# Altium PCB 车模底盘.PcbDoc
Units mm, origin at the board's own origin, x right, y up, seen from the top; angles counter-clockwise.
Board outline 336.17 x 284.1 mm, 4 copper layers (Top Layer, MidLayer1, MidLayer2, Bottom Layer); 123 components, 136 nets, 501 pads, 6 vias.
Unrouted connection lines stored in the file: 207.
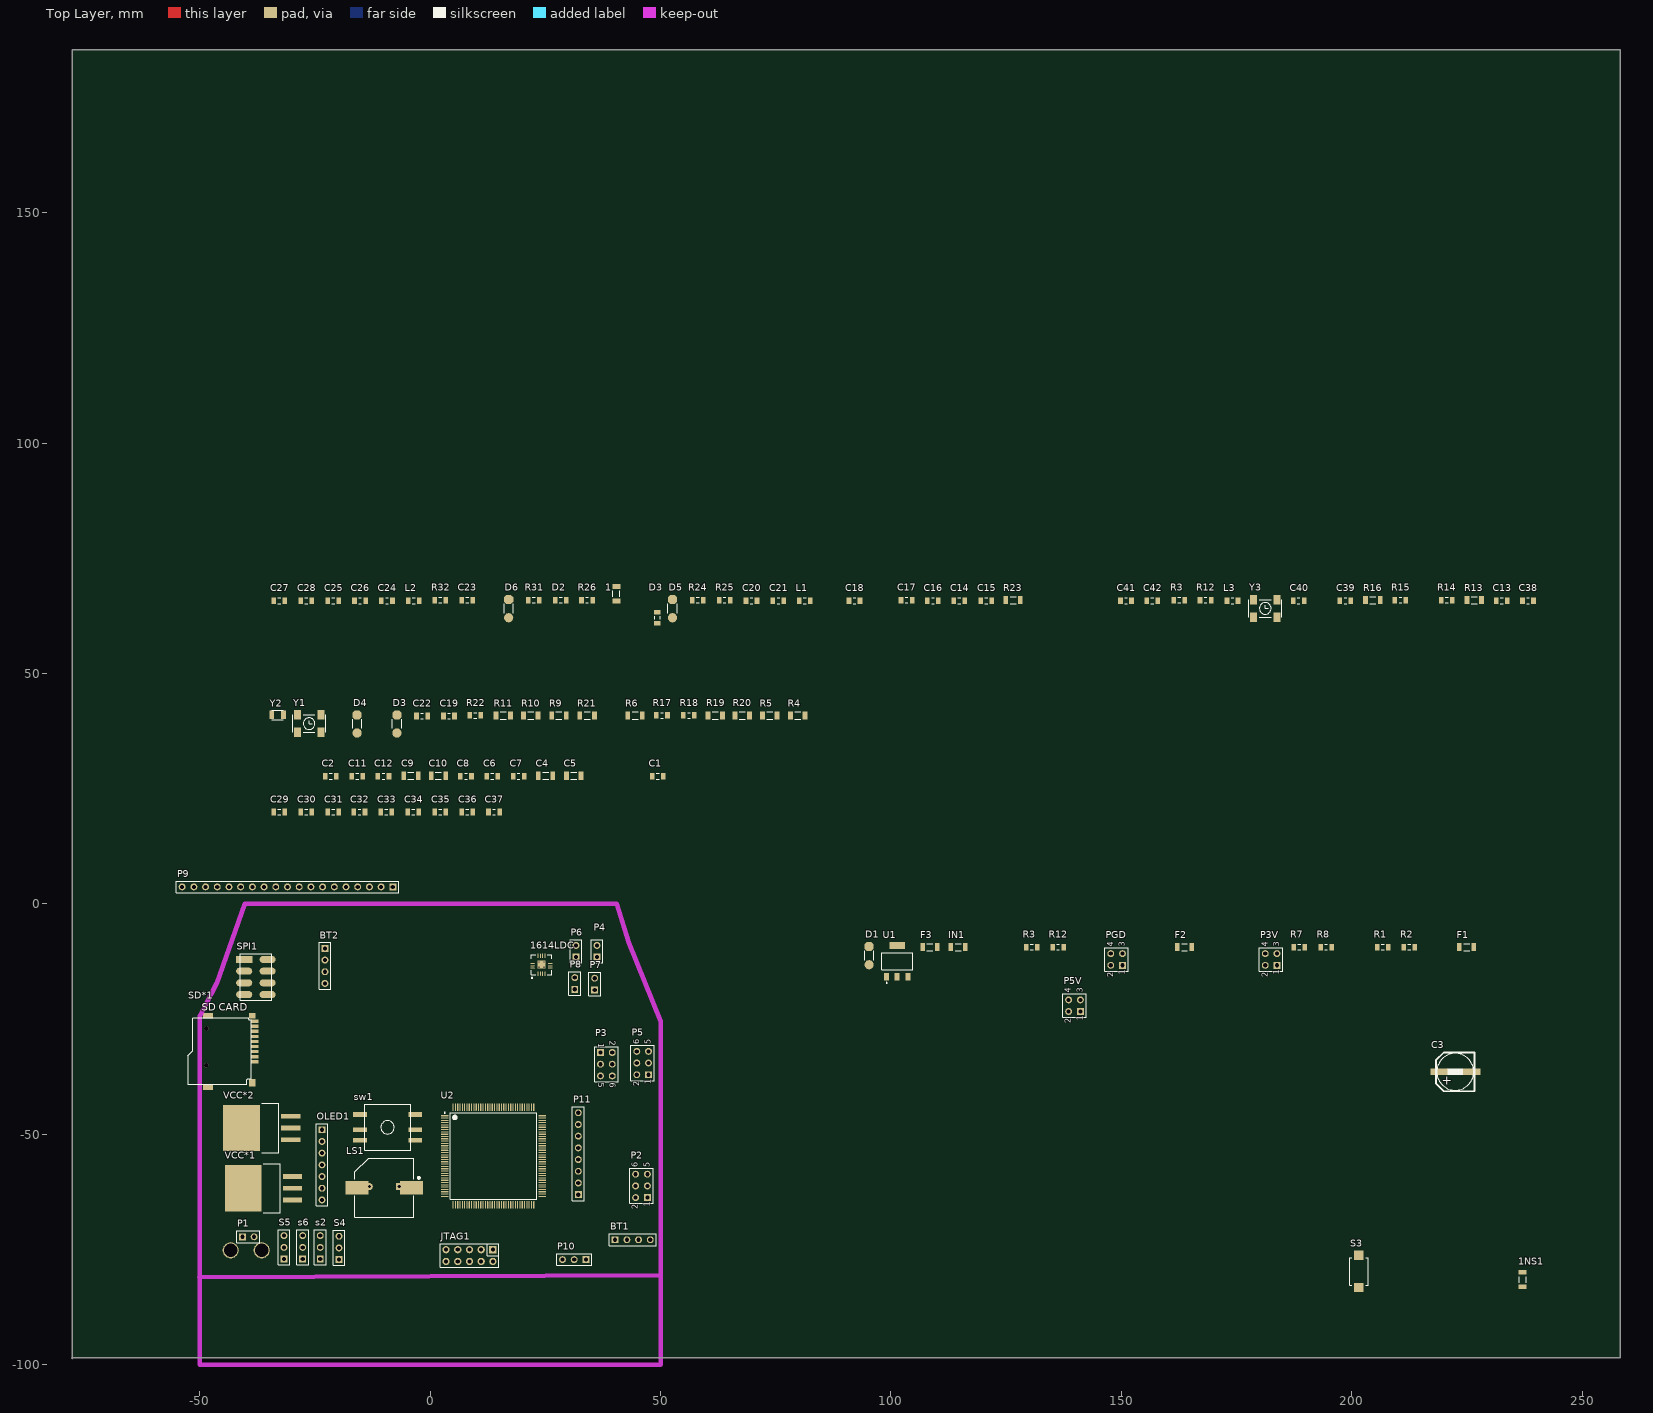
[diagram p0: Top Layer view]
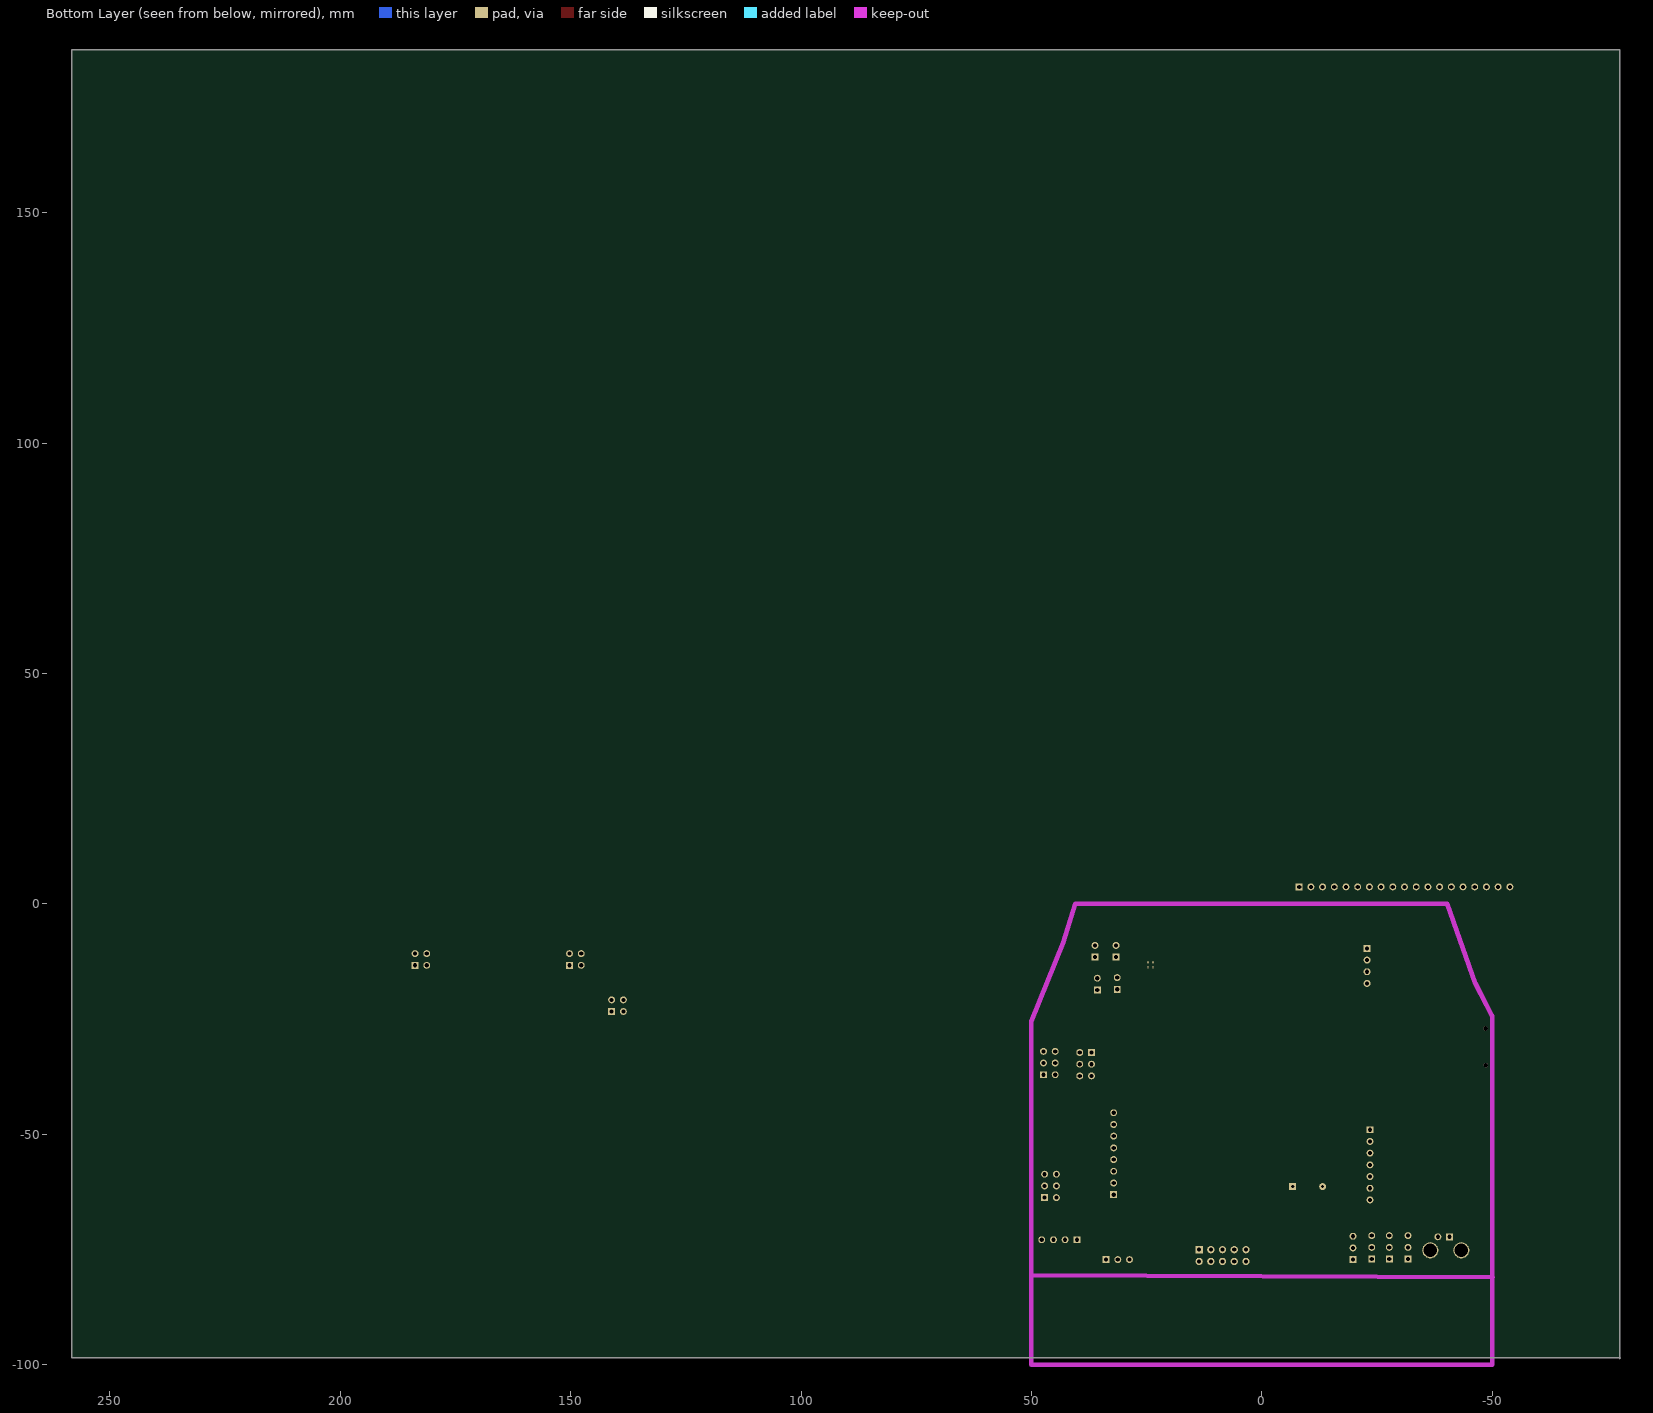
[diagram p1: Bottom Layer view, seen from below]

## Layer stack, top to bottom
Top Layer: signal copper 0.0356
Dielectric: core 0.32, FR-4, Dk 4.8
MidLayer1: signal copper 0.0356
Dielectric: prepreg 0.32, FR-4, Dk 4.8
MidLayer2: signal copper 0.0356
Dielectric: core 0.32, FR-4, Dk 4.8
Bottom Layer: signal copper 0.0356

## Board outline
-77.724,-98.679 -77.724,185.42 88.392,185.42 258.318,185.42 258.318,-43.307 258.318,-98.552 -77.851,-98.552

## Design rules (kind name [scope] priority, off if disabled: settings)
Clearance [All] p1: gap=0.152
PolygonConnect [All] p1: connectstyle=Relief reliefconductorwidth=0.254 reliefentries=4 polygonreliefangle="90 Angle" airgapwidth=0.254
RoutingVias [All] p1: holewidth=0.711 width=1.27 viastyle="Through Hole" minholewidth=0.711 minwidth=1.27 maxholewidth=0.711 maxwidth=1.27
SolderMaskExpansion [All] p1: expansion=0.102
Width [All] p1: maxlimit=1.27 minlimit=0.152 preferedwidth=0.254 midlayer1_minwidth=0.254 midlayer1_maxwidth=0.254 midlayer2_minwidth=0.254 midlayer2_maxwidth=0.254 minimp=50.000000 maximp=50.000000 favimp=50.000000
28 further rules are at their usual default settings.

## Classes and differential pairs
component class A车主控V1.0: 1NS1 1614LDC BT1 BT2 C1 C2 C3 C4 C5 C6 C7 C8 C9 C10 C11 C12 C14 C15 C16 C17 C18 C19 C20 C21 C22 C23 C24 C25 C26 C27 C28 C29 C30 C31 C32 C33 C34 C35 C36 C37 D1 D2 D3 D4 F1 F2 F3 IC1 IN1 JTAG1 L1 L2 OLED1 P1 P2 P3 P3V P4 P5 P5V PGD R1 R2 R3 R4 R5 R6 R7 R8 R9 R10 R11 R12 R17 R18 R19 R20 R21 R22 R24 R26 R31 R32 S1 s2 S3 S4 SD*1 SPI1 U1 U2 VCC*1 VCC*2 Y1 Y2

## Components (designator, comment, footprint, x,y, rotation, side; value= is the part's Value field where it differs from the comment)
1 "SK34" 1206(2) 40.386,67.31 r90 top
1NS1 "SK34" 1206(2) 237.109,-81.534 r90 top
1614LDC "LDC1614" LDC1614 24.13,-13.208 r90 top
BT1 "Header 4" HDR1X4 40.132,-72.898 r0 top
BT2 "Header 4" HDR1X4 -22.86,-9.652 r270 top
C1 "100nF" C2012 49.403,27.686 r0 top
C2 "100nF" C2012 -21.59,27.686 r0 top
C3 "Cap Pol1" SMD-EC-F8 218.948,-36.449 r0 top
C4 "Cap Pol1" 1206(2) 25.019,27.813 r0 top
C5 "Cap Pol1" 1206(2) 31.115,27.813 r0 top
C6 "Cap" C2012 13.462,27.686 r0 top
C7 "Cap" C2012 19.177,27.686 r0 top
C8 "100nF" C2012 7.747,27.686 r0 top
C9 "Cap Pol1" 1206(2) -4.191,27.813 r0 top
C10 "Cap Pol1" 1206(2) 1.778,27.813 r0 top
C11 "Cap" C2012 -15.875,27.686 r0 top
C12 "Cap" C2012 -10.16,27.686 r0 top
C13 "Cap" C2012 232.537,65.786 r0 top
C14 "10uF" C2012 114.808,65.786 r0 top
C15 "100nF" C2012 120.65,65.786 r0 top
C16 "2.2uF" C2012 109.093,65.786 r0 top
C17 "100nF" R2012 103.378,65.913 r0 top
C18 "100nF" C2012 92.075,65.786 r0 top
C19 "100nF" c2012 4.064,40.767 r0 top
C20 "100nF" C2012 69.723,65.786 r0 top
C21 "10nF" C2012 75.565,65.786 r0 top
C22 "100nF" c2012 -1.778,40.767 r0 top
C23 "100nF" R2012 8.001,65.913 r0 top
C24 "100nF" C2012 -9.398,65.786 r0 top
C25 "10nF" C2012 -21.082,65.786 r0 top
C26 "100nF" C2012 -15.24,65.786 r0 top
C27 "18pF" C2012 -32.766,65.786 r0 top
C28 "18pF" C2012 -26.924,65.786 r0 top
C29 "Cap" C2012 -32.766,19.939 r0 top
C30 "Cap" C2012 -26.924,19.939 r0 top
C31 "Cap" C2012 -21.082,19.939 r0 top
C32 "Cap" C2012 -15.367,19.939 r0 top
C33 "Cap" C2012 -9.525,19.939 r0 top
C34 "Cap" C2012 -3.683,19.939 r0 top
C35 "Cap" C2012 2.159,19.939 r0 top
C36 "Cap" C2012 8.001,19.939 r0 top
C37 "Cap" C2012 13.843,19.939 r0 top
C38 "Cap" C2012 238.252,65.786 r0 top
C39 "Cap" C2012 198.628,65.786 r0 top
C40 "Cap" C2012 188.468,65.786 r0 top
C41 "10nF" C2012 151.003,65.786 r0 top
C42 "100nF" C2012 156.718,65.786 r0 top
D1 "1N4729A" "hole-chip diode" 96.266,-13.208 r90 top
D2 "POWER" R2012 28.321,65.913 r0 top
D3 "POWER" R2012 49.276,62.103 r90 top
D3 "1N4729A" "hole-chip diode" -6.223,37.084 r90 top
D4 "1N4729A" "hole-chip diode" -14.859,37.084 r90 top
D5 "1N4729A" "hole-chip diode" 53.594,62.103 r90 top
D6 "1N4729A" "hole-chip diode" 18.034,62.103 r90 top
F1 "1.5A" 1206(2) 224.917,-9.398 r0 top
F2 "500mA" 1206(2) 163.703,-9.398 r0 top
F3 "300mA" 1206(2) 108.458,-9.398 r0 top
IN1 "1SS355" 1206(2) 114.554,-9.398 r0 top
JTAG1 "Header 5X2" IDC5X2 8.509,-76.327 r180 top
L1 "Inductor" C2012 81.28,65.786 r0 top
L2 "Inductor" C2012 -3.556,65.786 r0 top
L3 "Inductor" C2012 174.117,65.786 r0 top
LS1 "Buzzer" ABSM-1574 -4.064,-61.595 r180 top
OLED1 "Header 7" HDR1X7 -23.495,-49.022 r270 top
P1 "Header 2" HDR1X2 -40.767,-72.263 r0 top
P2 "Header 3X2" HDR2X3 47.117,-63.754 r90 top
P3 "Header 3X2" HDR2X3 36.957,-32.258 r270 top
P3V "Header 2X2" HDR2X2 183.769,-13.335 r90 top
P4 "Header 2" HDR1X2 36.195,-11.557 r90 top
P5 "Header 3X2" HDR2X3 47.371,-37.084 r90 top
P5V "Header 2X2" HDR2X2 141.097,-23.368 r90 top
P6 "Header 2" HDR1X2 31.623,-11.557 r90 top
P7 "Header 2" HDR1X2 35.687,-18.669 r90 top
P8 "Header 2" HDR1X2 31.369,-18.542 r90 top
P9 "Header 19" HDR1X19 -8.128,3.683 r180 top
P10 "Header 3" HDR1X3 33.782,-77.216 r180 top
P11 "Header 8" HDR1X8 32.131,-63.119 r90 top
PGD "Header 2X2" HDR2X2 150.241,-13.335 r90 top
R1 "Res2" R2012 206.756,-9.398 r0 top
R2 "Res2" R2012 212.471,-9.398 r0 top
R3 "10k" R2012 162.56,65.913 r0 top
R3 "Res2" R2012 130.556,-9.398 r0 top
R4 "Res2" 1206(2) 79.756,40.894 r0 top
R5 "Res2" 1206(2) 73.66,40.894 r0 top
R6 "Res2" 1206(2) 44.45,40.894 r0 top
R7 "Res2" R2012 188.595,-9.398 r0 top
R8 "Res2" R2012 194.437,-9.398 r0 top
R9 "Res2" 1206(2) 27.94,40.894 r0 top
R10 "Res2" 1206(2) 21.844,40.894 r0 top
R11 "Res2" 1206(2) 15.875,40.894 r0 top
R12 "Res2" R2012 168.275,65.913 r0 top
R12 "Res2" R2012 136.271,-9.398 r0 top
R13 "Res2" 1206(2) 226.568,65.913 r0 top
R14 "Res2" R2012 220.599,65.913 r0 top
R15 "Res2" R2012 210.566,65.913 r0 top
R16 "Res2" 1206(2) 204.597,65.913 r0 top
R17 "Res2" R2012 50.292,40.894 r0 top
R18 "Res2" R2012 56.134,40.894 r0 top
R19 "Res2" 1206(2) 61.849,40.894 r0 top
R20 "Res2" 1206(2) 67.691,40.894 r0 top
R21 "Res2" 1206(2) 34.036,40.894 r0 top
R22 "Res2" R2012 9.779,40.894 r0 top
R23 "Res2" 1206(2) 126.492,65.913 r0 top
R24 "1K" R2012 58.039,65.913 r0 top
R25 "1K" R2012 63.881,65.913 r0 top
R26 "10K" R2012 34.036,65.913 r0 top
R31 "10K" R2012 22.479,65.913 r0 top
R32 "1M" R2012 2.159,65.913 r0 top
s2 "Header 3" HDR1X3 -23.876,-77.089 r90 top
S3 "SW-PB" SMT_Button 201.549,-79.756 r90 top
S4 "Header 3" HDR1X3 -19.812,-77.216 r90 top
S5 "Header 3" HDR1X3 -31.75,-77.089 r90 top
s6 "Header 3" HDR1X3 -27.686,-77.089 r90 top
SD*1 "TF_card" SD_card -46.863,-30.099 r0 top
SPI1 "Header 4X2A" "SMT head4*1" -37.719,-16.002 r0 top
sw1 "SW-5" SW-5 -9.271,-48.514 r0 top
U1 "REG1117" SOT223 101.346,-12.446 r0 top
U2 "K60P144" LQFP144 13.716,-54.737 r0 top
VCC*1 "LM1084" "DPAK LM2940" -36.195,-61.722 r180 top
VCC*2 "LM1086" "DPAK LM2940" -36.576,-48.641 r180 top
Y1 "50MHZ" 贴片有源晶体 -28.829,37.211 r0 top
Y2 "32.768K" CT3215 -34.417,41.021 r0 top
Y3 "8MHZ" 贴片有源晶体 178.689,62.23 r0 top

## Footprints (in the part's own frame and the unit in brackets; to place one, negate y for a bottom-side part, rotate by r counter-clockwise, add the part's x,y. Pads: shape width x height; smd on the part's side, far side on the other; paste and mask are expansions set on the pad)
1206(2) [mm]
  rect 1.05x1.75 smd: 1(-1.575,0) 2(1.575,0)
  silkscreen extent -0.65,-0.77 0.65,0.77, body extent -1.6,-0.8 1.6,0.8, height 1.6
ABSM-1574 [mm] "Magnetic Transducer Buzzer"
  rect 5x3 smd: 1(0,0) 2(11.8,0)
  rect 1.5x1.5 hole 0.7: 1A(2.65,-0.24)
  round 1.5 hole 0.7: 2A(9.15,-0.24)
  silkscreen extent -1.83,-6.4 12.3,6.4
C2012 [mm] "Chip Capacitor, 2-Leads, Body 2.0x1.2mm, IPC Low Density"
  rect 1x1.45 smd: 1(-1.2,0) 2(1.2,0)
  silkscreen extent -0.3,-0.63 0.3,0.63, body extent -0.98,-0.6 1.02,0.6, height 0.5
c2012 [mm] "Chip Capacitor, 2-Leads, Body 2.0x1.2mm, IPC Low Density"
  rect 1x1.45 smd: 1(-1.2,0) 2(1.2,0)
  silkscreen extent -0.3,-0.63 0.3,0.63, body extent -0.98,-0.6 1.02,0.6, height 0.5
CT3215 [mm]
  rect 1.05x1.85 smd: 1(0,0) 2(2.54,0)
  silkscreen extent 0,-1.02 2.54,1.02
"DPAK LM2940" [mm] "D2-PAK, 4-Pads, Body 7.93x8.69mm (max), IPC Medium Density"
  rect 4.2x1 smd: 1(-6.3,2.54) 2(-6.3,0) 3(-6.3,-2.54)
  rect 8x10 smd: 4(4.4,0)
  silkscreen extent -3.65,-5.35 0,5.35, body extent -3.65,-5.33 6,5.33, height 4.83
HDR1X2 [mm] "Connector; Header; 2 Position"
  rect 1.5x1.5 hole 0.9: 1(0,0)
  round 1.5 hole 0.9: 2(2.54,0)
  silkscreen extent -1.27,-1.27 3.81,1.27
HDR1X3 [mm] "Connector; Header; 3 Position"
  rect 1.5x1.5 hole 0.9: 1(0,0)
  round 1.5 hole 0.9: 2(2.54,0) 3(5.08,0)
  silkscreen extent -1.27,-1.27 6.35,1.27
HDR1X4 [mm] "Connector; Header; 4 Position"
  rect 1.5x1.5 hole 0.9: 1(0,0)
  round 1.5 hole 0.9: 2(2.54,0) 3(5.08,0) 4(7.62,0)
  silkscreen extent -1.27,-1.27 8.89,1.27
HDR1X7 [mm] "Connector; Header; 7 Position"
  rect 1.5x1.5 hole 0.9: 1(0,0)
  round 1.5 hole 0.9: 2(2.54,0) 3(5.08,0) 4(7.62,0) 5(10.16,0) 6(12.7,0) 7(15.24,0)
  silkscreen extent -1.27,-1.27 16.51,1.27
HDR1X8 [mm] "Connector; Header; 8 Position"
  rect 1.5x1.5 hole 0.9: 1(0,0)
  round 1.5 hole 0.9: 2(2.54,0) 3(5.08,0) 4(7.62,0) 5(10.16,0) 6(12.7,0) 7(15.24,0) 8(17.78,0)
  silkscreen extent -1.27,-1.27 19.05,1.27
HDR1X19 [mm] "Connector; Header; 19 Position"
  rect 1.5x1.5 hole 0.9: 1(0,0)
  round 1.5 hole 0.9: 2(2.54,0) 3(5.08,0) 4(7.62,0) 5(10.16,0) 6(12.7,0) 7(15.24,0) 8(17.78,0) 9(20.32,0) 10(22.86,0) 11(25.4,0) 12(27.94,0) 13(30.48,0) 14(33.02,0) 15(35.56,0) 16(38.1,0) 17(40.64,0) 18(43.18,0) 19(45.72,0)
  silkscreen extent -1.27,-1.27 46.99,1.27
HDR2X2 [mm] "Connector; Header; 2x2 Position"
  rect 1.5x1.5 hole 0.9: 1(0,0)
  round 1.5 hole 0.9: 2(0,2.54) 3(2.54,0) 4(2.54,2.54)
  silkscreen extent -1.27,-1.27 3.81,3.81
HDR2X3 [mm] "Connector; Header; 3x2 Position"
  rect 1.5x1.5 hole 0.9: 1(0,0)
  round 1.5 hole 0.9: 2(0,2.54) 3(2.54,0) 4(2.54,2.54) 5(5.08,0) 6(5.08,2.54)
  silkscreen extent -1.27,-1.27 6.35,3.81
"hole-chip diode" [mm]
  round 2 smd: 1(0,1.016)
  oct 2x2 smd: 2(3.937,1.016)
  silkscreen extent 1,0 3,2
IDC5X2 [mil]
  rect 62x62 hole 35: 1(-200,-50)
  round 62 hole 35: 2(-200,50) 3(-100,-50) 4(-100,50) 5(0,-50) 6(0,50) 7(100,-50) 8(100,50) 9(200,-50) 10(200,50)
  silkscreen extent -250,-100 250,100
LDC1614 [mm] "QFN, 16-Leads, Body 4.00x4.00mm, Pitch 0.50mm, Thermal Pad 1.74x1.74mm, IPC Medium Density"
  oval 0.95x0.2 smd: 1(-1.925,0.75) 2(-1.925,0.25) 3(-1.925,-0.25) 4(-1.925,-0.75) 9(1.925,-0.75) 10(1.925,-0.25) 11(1.925,0.25) 12(1.925,0.75)
  oval 0.2x0.95 smd: 5(-0.75,-1.925) 6(-0.25,-1.925) 7(0.25,-1.925) 8(0.75,-1.925) 13(0.75,1.925) 14(0.25,1.925) 15(-0.25,1.925) 16(-0.75,1.925)
  rect 1.74x1.74 smd: 17(0,0)
  silkscreen extent -2.97,-2.2 2.2,2.2, body extent -2.05,-2.05 2.05,2.05, height 0.8
LQFP144 [mm]
  oval 1.65x0.25 smd: 1(-10.6,8.75) 2(-10.6,8.25) 3(-10.6,7.75) 4(-10.6,7.25) 5(-10.6,6.75) 6(-10.6,6.25) 7(-10.6,5.75) 8(-10.6,5.25) 9(-10.6,4.75) 10(-10.6,4.25) 11(-10.6,3.75) 12(-10.6,3.25) 13(-10.6,2.75) 14(-10.6,2.25) 15(-10.6,1.75) 16(-10.6,1.25) 17(-10.6,0.75) 18(-10.6,0.25) 19(-10.6,-0.25) 20(-10.6,-0.75) 21(-10.6,-1.25) 22(-10.6,-1.75) 23(-10.6,-2.25) 24(-10.6,-2.75) 25(-10.6,-3.25) 26(-10.6,-3.75) 27(-10.6,-4.25) 28(-10.6,-4.75) 29(-10.6,-5.25) 30(-10.6,-5.75) 31(-10.6,-6.25) 32(-10.6,-6.75) 33(-10.6,-7.25) 34(-10.6,-7.75) 35(-10.6,-8.25) 36(-10.6,-8.75) 73(10.6,-8.75) 74(10.6,-8.25) 75(10.6,-7.75) 76(10.6,-7.25) 77(10.6,-6.75) 78(10.6,-6.25) 79(10.6,-5.75) 80(10.6,-5.25) 81(10.6,-4.75) 82(10.6,-4.25) 83(10.6,-3.75) 84(10.6,-3.25) 85(10.6,-2.75) 86(10.6,-2.25) 87(10.6,-1.75) 88(10.6,-1.25) 89(10.6,-0.75) 90(10.6,-0.25) 91(10.6,0.25) 92(10.6,0.75) 93(10.6,1.25) 94(10.6,1.75) 95(10.6,2.25) 96(10.6,2.75) 97(10.6,3.25) 98(10.6,3.75) 99(10.6,4.25) 100(10.6,4.75) 101(10.6,5.25) 102(10.6,5.75) 103(10.6,6.25) 104(10.6,6.75) 105(10.6,7.25) 106(10.6,7.75) 107(10.6,8.25) 108(10.6,8.75)
  oval 0.25x1.65 smd: 37(-8.75,-10.6) 38(-8.25,-10.6) 39(-7.75,-10.6) 40(-7.25,-10.6) 41(-6.75,-10.6) 42(-6.25,-10.6) 43(-5.75,-10.6) 44(-5.25,-10.6) 45(-4.75,-10.6) 46(-4.25,-10.6) 47(-3.75,-10.6) 48(-3.25,-10.6) 49(-2.75,-10.6) 50(-2.25,-10.6) 51(-1.75,-10.6) 52(-1.25,-10.6) 53(-0.75,-10.6) 54(-0.25,-10.6) 55(0.25,-10.6) 56(0.75,-10.6) 57(1.25,-10.6) 58(1.75,-10.6) 59(2.25,-10.6) 60(2.75,-10.6) 61(3.25,-10.6) 62(3.75,-10.6) 63(4.25,-10.6) 64(4.75,-10.6) 65(5.25,-10.6) 66(5.75,-10.6) 67(6.25,-10.6) 68(6.75,-10.6) 69(7.25,-10.6) 70(7.75,-10.6) 71(8.25,-10.6) 72(8.75,-10.6) 109(8.75,10.6) 110(8.25,10.6) 111(7.75,10.6) 112(7.25,10.6) 113(6.75,10.6) 114(6.25,10.6) 115(5.75,10.6) 116(5.25,10.6) 117(4.75,10.6) 118(4.25,10.6) 119(3.75,10.6) 120(3.25,10.6) 121(2.75,10.6) 122(2.25,10.6) 123(1.75,10.6) 124(1.25,10.6) 125(0.75,10.6) 126(0.25,10.6) 127(-0.25,10.6) 128(-0.75,10.6) 129(-1.25,10.6) 130(-1.75,10.6) 131(-2.25,10.6) 132(-2.75,10.6) 133(-3.25,10.6) 134(-3.75,10.6) 135(-4.25,10.6) 136(-4.75,10.6) 137(-5.25,10.6) 138(-5.75,10.6) 139(-6.25,10.6) 140(-6.75,10.6) 141(-7.25,10.6) 142(-7.75,10.6) 143(-8.25,10.6) 144(-8.75,10.6)
  silkscreen extent -10.72,-9.38 9.38,9.55, body extent -10,-10 10,10, height 1.6
R2012 [mm] "Chip Resistor, 2-Leads, Body 2.0x1.2mm, IPC Low Density"
  rect 1x1.4 smd: 1(-1.2,0) 2(1.2,0)
  silkscreen extent -0.3,-0.6 0.3,0.6, body extent -0.98,-0.6 1.02,0.6, height 0.5
SD_card [mm]
  rect 1.6x0.7 smd: 1(8.732,-4.16) 2(8.732,-3.06) 3(8.732,-1.96) 4(8.732,-0.86) 5(8.732,0.24) 6(8.732,1.34) 7(8.732,2.44) 8(8.732,3.54) 9(8.732,4.64)
  rect 1.4x1.2 smd: 10(8.232,5.84)
  rect 2.2x1.2 smd: 11(-1.368,5.84) 12(-1.368,-9.66)
  rect 1.4x1.6 smd: 13(8.232,-8.76)
  silkscreen extent -5.79,-9.04 8.03,5.43
SMD-EC-F8 [mm]
  rect 3.8x1.4 smd: 1(0,0) 2(7.051,0)
  silkscreen extent -0.69,-4.22 7.71,4.2
"SMT head4*1" [mm]
  rect 3.5x1.5 smd: 1(-2.667,3.937)
  oval 3.5x1.5 smd: 2(-2.667,1.397) 3(-2.667,-1.143) 4(-2.667,-3.683) 5(2.413,3.937) 6(2.413,1.397) 7(2.413,-1.143) 8(2.413,-3.683)
  silkscreen extent -3.56,-4.93 3.3,5.23
SMT_Button [mil]
  rect 80x80 smd: 1(-137.8,0) 2(137.8,0)
  silkscreen extent -118,-79 118,79
SOT223 [mm] "SOT-223/SC-73; 4 Leads; Body 6.7 x 7.3 mm, inc. leads (LxW max)"
  rect 1.1x1.55 smd: 1(-2.3,-3.375) 2(0,-3.375) 3(2.3,-3.375)
  rect 3.45x1.55 smd: 4(0,3.375)
  silkscreen extent -3.35,-4.82 3.35,1.85, body extent -3.25,-3.47 3.25,3.49, height 1.66
SW-5 [mm]
  rect 3x1 smd: 1(-6,2.8) 2(-6,-0.5) 3(-6,-2.8) 4(6,-2.8) 5(6,-0.5) 6(6,2.8)
  silkscreen extent -5,-5 5,5
贴片有源晶体 [mil]
  rect 60x80 smd: 1(0,0) 2(200,0) 3(200,150) 4(0,150)
  silkscreen extent -40,0 240,150, body extent -38,-23 238,173, height 74

## Part data
1 1NS1 D1 D3 D4 D5 D6 IN1: library part "Diode 1N4148", "High Conductance Fast Diode"
BT1 BT2: "Header, 4-Pin"
C1 C2 C8 C14 C15 C16 C17 C18 C19 C20 C21 C22 C23 C24 C25 C26 C41 C42: library part Cap, "Capacitor"
C3 C4 C5 C9 C10: "Polarized Capacitor (Radial)"
C6 C7 C11 C12 C13 C29 C30 C31 C32 C33 C34 C35 C36 C37 C38 C39 C40: "贴片电容"
C27 C28: library part 陶瓷电容, "CAP"
D2 D3: library part LED, "Typical INFRARED GaAs LED"
F1 F2 F3: library part "Fuse 1", "Fuse"
JTAG1: "Header, 5-Pin, Dual row"
LS1: "Magnetic Transducer Buzzer"
OLED1: "Header, 7-Pin"
P1 P4 P6 P7 P8: "Header, 2-Pin"
P2 P3 P5: "Header, 3-Pin, Dual row"
P3V P5V PGD: "Header, 2-Pin, Dual row"
P9: "Header, 19-Pin"
P10 s2 S4 S5 s6: "Header, 3-Pin"
P11: "Header, 8-Pin"
R1 R2 R3 R4 R5 R6 R7 R8 R9 R10 R11 R12 R12 R13 R14 R15 R16 R17 R18 R19 R20 R21 R22 R23: "Resistor"
R3: library part Res, "Resistor of led"
R24 R25 R26 R31 R32: library part Res, "Resistor"
S3: "Switch"
SPI1: "Header, 4-Pin, Dual row"
U1: "800mA and 1A Low Dropout Positive Regulator 2.85V, 3.3V, 5V, and Adjustable"
VCC*1: library part LM1086
Y1 Y3: library part XTAL1
Y2: library part XTAL, "Crystal Oscillator"

## Free pads (board coordinates)
  round 3.5 hole 3: 0(-43.307,-75.184) 1(-36.576,-75.184)

## Via types
v1: diameter 0.5, hole 0.2, Top Layer to Bottom Layer, 4 vias
v2: diameter 1, hole 1, Top Layer to Bottom Layer, 2 vias

## Nets (pads, with @x,y where several pads share a name; then routed paths per layer and width w, separated by ;. In a path a pad name is that pad's centre, name@x,y a point inside that pad or via, vN(x,y) a via of type N, cw(c..) or ccw(c..) an arc to the next point about the centre after c; other vN are vias at no path point)
3.3V: 1614LDC.7 C10.1 C12.2 C18.1 OLED1.6 P3V.1 P3V.2 P3V.3 P3V.4 SPI1.5 VCC*2.2 VCC*2.4
5V: BT1.4 BT2.4 C1.2 C2.2 C5.1 C7.2 C8.2 IN1.1 P2.2 P3.2 P5.2 P5V.1 P5V.2 P5V.3 P5V.4 R1.2 R2.1 R7.1 R8.2 VCC*1.2 VCC*1.4
"ADC0 SE16": U2.36
"ADC1 SE16": U2.35
"BT RXD": BT1.1 U2.66
"BT TXD": BT1.2 U2.67
CE: SPI1.2
DAC0: U2.38
DAC1: U2.39
EGND: C3.2 P1.2 R4.2 R5.2 R6.2 R9.2 R10.2 R11.2
EZP_CS: U2.54
GND: 1614LDC.8 1614LDC.17 BT1.3 BT2.3 C1.1 C2.1 C4.2 C5.2 C6.1 C7.1 C8.1 C9.2 C10.2 C11.1 C12.1 C14.1 C15.1 C16.1 C17.1 C18.2 C19.1 C20.1 C21.1 C22.1 C23.2 C24.1 C25.1 C26.1 C27.1 C28.1 C29.1 C30.1 C31.1 C32.1 C33.1 C34.1 C35.1 C36.1 C37.1 C41.1 C42.1 D1.1 D2.2 D3.1@49.276,60.903 D4.1 D5.1 D6.1 OLED1.7 P2.1 P3.1 P5.1 PGD.1 PGD.2 PGD.3 PGD.4 R4.1 R5.1 R6.1 R9.1 R10.1 R11.1 R17.2 R18.2 R19.2 R21.1 R22.1 s2.1 S4.1 SD*1.6 SD*1.9 SPI1.1 U1.1 U2.6 U2.17 U2.18 U2.33 U2.34 U2.44 U2.57 U2.71 U2.93 U2.107 U2.121 U2.134 VCC*1.1 VCC*2.1 Y1.2
  other v1: 23.58,-13.758 24.68,-13.758 23.58,-12.658 24.68,-12.658
IRQ: SPI1.8
K3.3V: C14.2 C15.2 C16.2 C19.2 C20.2 C23.1 C29.2 C30.2 C31.2 C32.2 C33.2 C34.2 C35.2 C36.2 C37.2 D1.2 SD*1.4 U1.2 U1.4 U2.5 U2.16 U2.21 U2.42 U2.43 U2.56 U2.70 U2.94 U2.108 U2.122 U2.135
MISO: SPI1.4
MOSI: SPI1.7
Net1NS1_2: 1NS1.2 s2.2 S4.2
NetC4_1: C4.1 C6.2 F1.2 VCC*1.3
NetC9_1: C9.1 C11.2 F2.2 VCC*2.3
NetC21_2: C21.2 U2.31 U2.32
NetC22_2: C22.2 U2.37
NetC25_2: C25.2 C26.2 Y1.4
NetC27_2: C27.2 U2.40 Y2.1
NetC28_2: C28.2 U2.41 Y2.2
NetD2_1: D2.1
NetF3_2: F3.2 IN1.2
NetIC1_2: 
NetIC1_3: 
NetIC1_4: 
OLEDCLK: OLED1.5 U2.49
OLEDCS: OLED1.1 U2.45
OLEDDC: OLED1.2 U2.46
OLEDMISO: OLED1.4 U2.48
OLEDRST: OLED1.3 U2.47
PCS0: SPI1.6
"PGA0 DM": U2.28
"PGA0 PM": U2.27
"PGA1 DM": U2.30
"PGA1 PM": U2.29
"PGA2 DM": U2.24
"PGA2 DP": U2.23
"PGA3 DM": U2.26
"PGA3 PM": U2.25
PTA5: U2.55
PTA6: S4.3 U2.58
PTA7: D4.2 s2.3 U2.59
PTA8: D5.2 U2.60
PTA9: D6.2 U2.61
PTA10: U2.62
PTA11: U2.63
PTA12: P2.3 R1.1 U2.64
PTA13: P2.4 R2.2 U2.65
PTA16: U2.68
PTA17: U2.69
PTA18: U2.72 Y1.3
PTA19: P5.3 U2.73
PTA24: U2.75
PTA25: U2.76
PTA26: U2.77
PTA27: U2.78
PTA28: U2.79
PTA29: U2.80
PTB0: U2.81
PTB1: U2.82
PTB2: U2.83
PTB3: U2.84
PTB4: U2.85
PTB5: U2.86
PTB6: U2.87
PTB7: U2.88
PTB8: U2.89
PTB9: U2.90
PTB10: U2.91
PTB11: U2.92
PTB16: U2.95
PTB17: U2.96
PTB18: P3.4 R8.1 U2.97
PTB19: P3.3 R7.2 U2.98
PTB20: U2.99
PTB21: U2.100
PTB22: U2.101
PTB23: U2.102
PTC0: U2.103
PTC1: U2.104
PTC2: U2.105
PTC3: U2.106
PTC4: U2.109
PTC5: P5.4 U2.110
PTC6: U2.111
PTC7: U2.112
PTC8: U2.113
PTC9: U2.114
PTC11: 1614LDC.2 U2.116
PTC12: U2.117
PTC13: U2.118
PTC14: U2.119
PTC15: U2.120
PTC16: U2.123
PTC17: U2.124
PTC18: U2.125
PTC19: U2.126
PTD0: U2.127
PTD1: U2.128
PTD2: U2.129
PTD3: U2.130
PTD4: U2.131
PTD5: U2.132
PTD6: U2.133
PTD7: U2.136
PTD8: U2.137
PTD9: U2.138
PTD10: U2.139
PTD11: U2.140
PTD12: U2.141
PTD13: U2.142
PTD14: U2.143
PTD15: U2.144
PTE2: SD*1.5 U2.3
PTE6: U2.9
PTE7: U2.10
PTE8: BT2.1 U2.11
PTE9: BT2.2 U2.12
PTE10: U2.13
PTE11: U2.14
PTE12: D3.2@49.276,63.303 U2.15
RESET: C24.2 U2.74
TCK: U2.50
TDI: U2.51
TDO: U2.52
TMS: U2.53
USB0_DM: U2.20
USB0_DP: U2.19
VBAT: 
VCC: 1.1 1NS1.1 C3.1 F1.1 F2.1 P1.1
VCCA: C17.2 F3.1 U1.3
VREGIN: U2.22
pads on no net: 1.2 1614LDC.1 1614LDC.3 1614LDC.4 1614LDC.5 1614LDC.6 1614LDC.9 1614LDC.10 1614LDC.11 1614LDC.12 1614LDC.13 1614LDC.14 1614LDC.15 1614LDC.16 C13.1 C13.2 C38.1 C38.2 C39.1 C39.2 C40.1 C40.2 C41.2 C42.2 D3.1@-7.239,37.084 D3.2@-7.239,41.021 JTAG1.1 JTAG1.2 JTAG1.3 JTAG1.4 JTAG1.5 JTAG1.6 JTAG1.7 JTAG1.8 JTAG1.9 JTAG1.10 L1.1 L1.2 L2.1 L2.2 L3.1 L3.2 LS1.1 LS1.1A LS1.2 LS1.2A P2.5 P2.6 P3.5 P3.6 P4.1 P4.2 P5.5 P5.6 P6.1 P6.2 P7.1 P7.2 P8.1 P8.2 P9.1 P9.2 P9.3 P9.4 P9.5 P9.6 P9.7 P9.8 P9.9 P9.10 P9.11 P9.12 P9.13 P9.14 P9.15 P9.16 P9.17 P9.18 P9.19 P10.1 P10.2 P10.3 P11.1 P11.2 P11.3 P11.4 P11.5 P11.6 P11.7 P11.8 R3.1 R3.2 R12.1 R12.2 R13.1 R13.2 R14.1 R14.2 R15.1 R15.2 R16.1 R16.2 R17.1 R18.1 R19.1 R20.1 R20.2 R21.2 R22.2 R23.1 R23.2 R24.1 R24.2 R25.1 R25.2 R26.1 R26.2 R31.1 R31.2 R32.1 R32.2 S3.1 S3.2 S5.1 S5.2 S5.3 s6.1 s6.2 s6.3 SD*1.1 SD*1.2 SD*1.3 SD*1.7 SD*1.8 SD*1.10 SD*1.11 SD*1.12 SD*1.13 SPI1.3 sw1.1 sw1.2 sw1.3 sw1.4 sw1.5 sw1.6 U2.1 U2.2 U2.4 U2.7 U2.8 U2.115 Y1.1 Y3.1 Y3.2 Y3.3 Y3.4
copper on no net:
  other v2: -48.631,-35.059 -48.631,-27.059

## Keep-outs
Keep-Out Layer:
  lines w1: -50.165,-81.026 50.038,-80.645 ; -50,-100 50,-100 ; -50,-99.822 -50,-24.257 -46.355,-17.272 -40.259,0 40.386,0 ; 40.513,0 43.053,-8.382 50.038,-25.527 ; 50,-99.949 50,-25.4

## Silkscreen, mask and mechanical layers (free items; w line width, h text height)
Mechanical 15:
  lines w1: -10,0 -10,-12 ; 10,0 10,-12 ; -63,-60 63,-60 ; -63,-60 -62,-50 ; -63,-60 -63,-85 63,-85 63,-60 ; -62,-50 62,-50 ; -62,-50 -59,-40 ; -59,-40 59,-40 ; -59,-40 -53,-30 ; -53,-30 53,-30 ; -53,-30 -47.5,-20 ; -47.5,-20 47.5,-20 ; -47.5,-20 -42.5,-7 ; -42.5,-7 42.5,-7 ; -42.5,-7 -40.5,0 40.5,0 42.5,-7 ; -10,-12 -10,-40 10,-40 10,-12 ; -10,-12 10,-12 ; 42.5,-7 47.5,-20 ; 47.5,-20 53,-30 ; 53,-30 59,-40 ; 59,-40 62,-50 ; 62,-50 63,-60

## Text inside footprints (layer, text, board x,y; h text height)
C3: Top Overlay "+" at 219.588,-39.267 h2
P2: Top Overlay "6" at 45.085,-57.15 h1.27 r90; Top Overlay "5" at 47.625,-57.15 h1.27 r90; Top Overlay "2" at 45.085,-66.294 h1.27 r90; Top Overlay "1" at 47.625,-65.786 h1.27 r90
P3: Top Overlay "6" at 38.989,-38.862 h1.27 r270; Top Overlay "5" at 36.449,-38.862 h1.27 r270; Top Overlay "2" at 38.989,-29.718 h1.27 r270; Top Overlay "1" at 36.449,-30.226 h1.27 r270
P3V: Top Overlay "1" at 184.277,-15.367 h1.27 r90; Top Overlay "2" at 181.737,-15.875 h1.27 r90; Top Overlay "4" at 181.737,-9.271 h1.27 r90; Top Overlay "3" at 184.277,-9.271 h1.27 r90
P5: Top Overlay "6" at 45.339,-30.48 h1.27 r90; Top Overlay "5" at 47.879,-30.48 h1.27 r90; Top Overlay "2" at 45.339,-39.624 h1.27 r90; Top Overlay "1" at 47.879,-39.116 h1.27 r90
P5V: Top Overlay "1" at 141.605,-25.4 h1.27 r90; Top Overlay "2" at 139.065,-25.908 h1.27 r90; Top Overlay "4" at 139.065,-19.304 h1.27 r90; Top Overlay "3" at 141.605,-19.304 h1.27 r90
PGD: Top Overlay "1" at 150.749,-15.367 h1.27 r90; Top Overlay "2" at 148.209,-15.875 h1.27 r90; Top Overlay "4" at 148.209,-9.271 h1.27 r90; Top Overlay "3" at 150.749,-9.271 h1.27 r90
SD*1: Top Overlay "SD CARD" at -49.577,-23.162 h1.6